# KiCad board Panel-DIY305.kicad_pcb
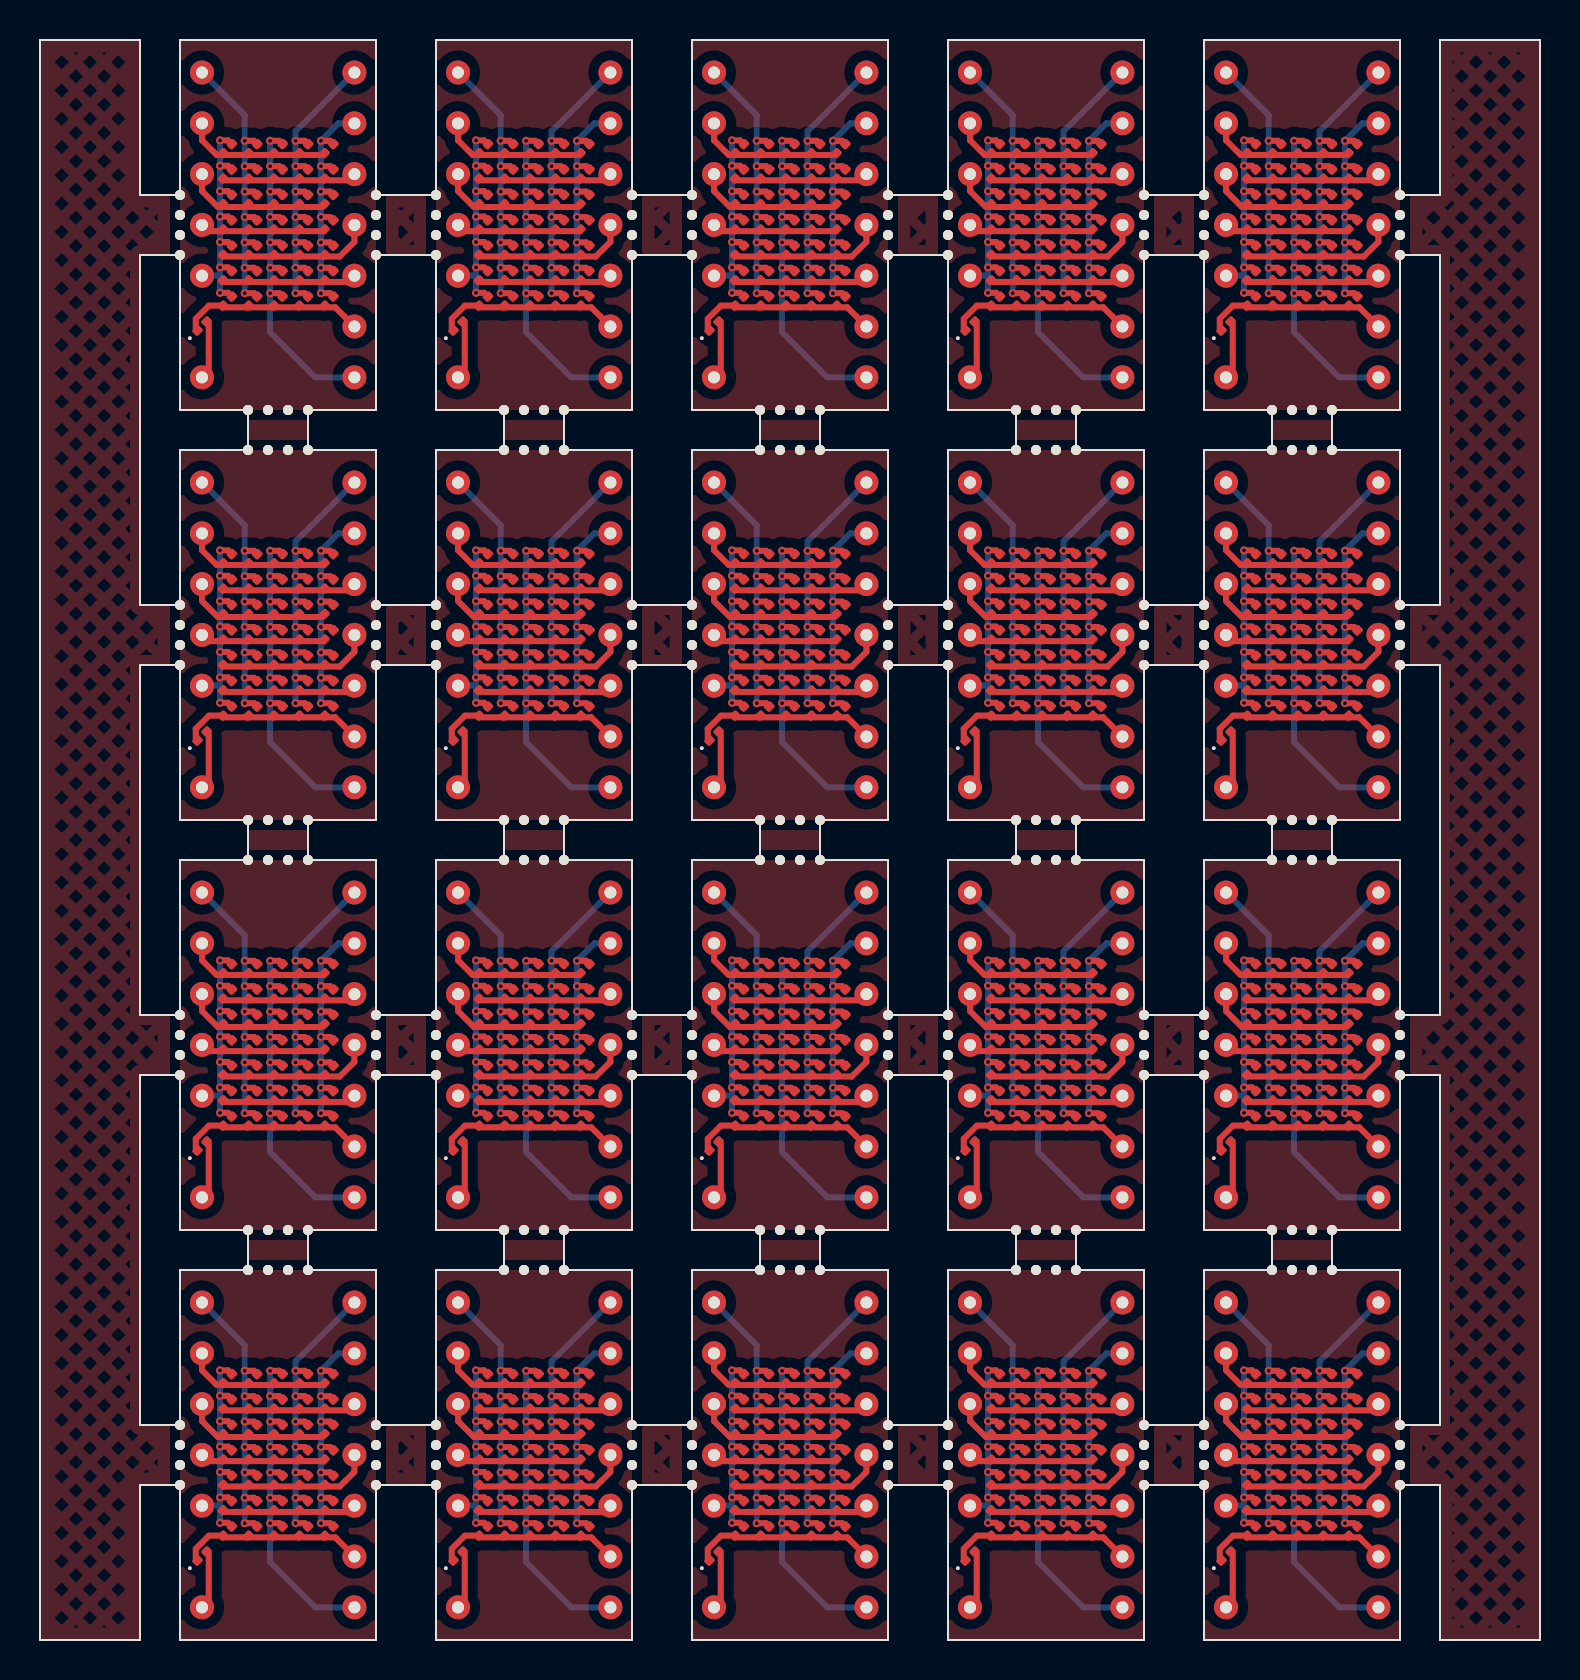
[diagram p0: board, top side]
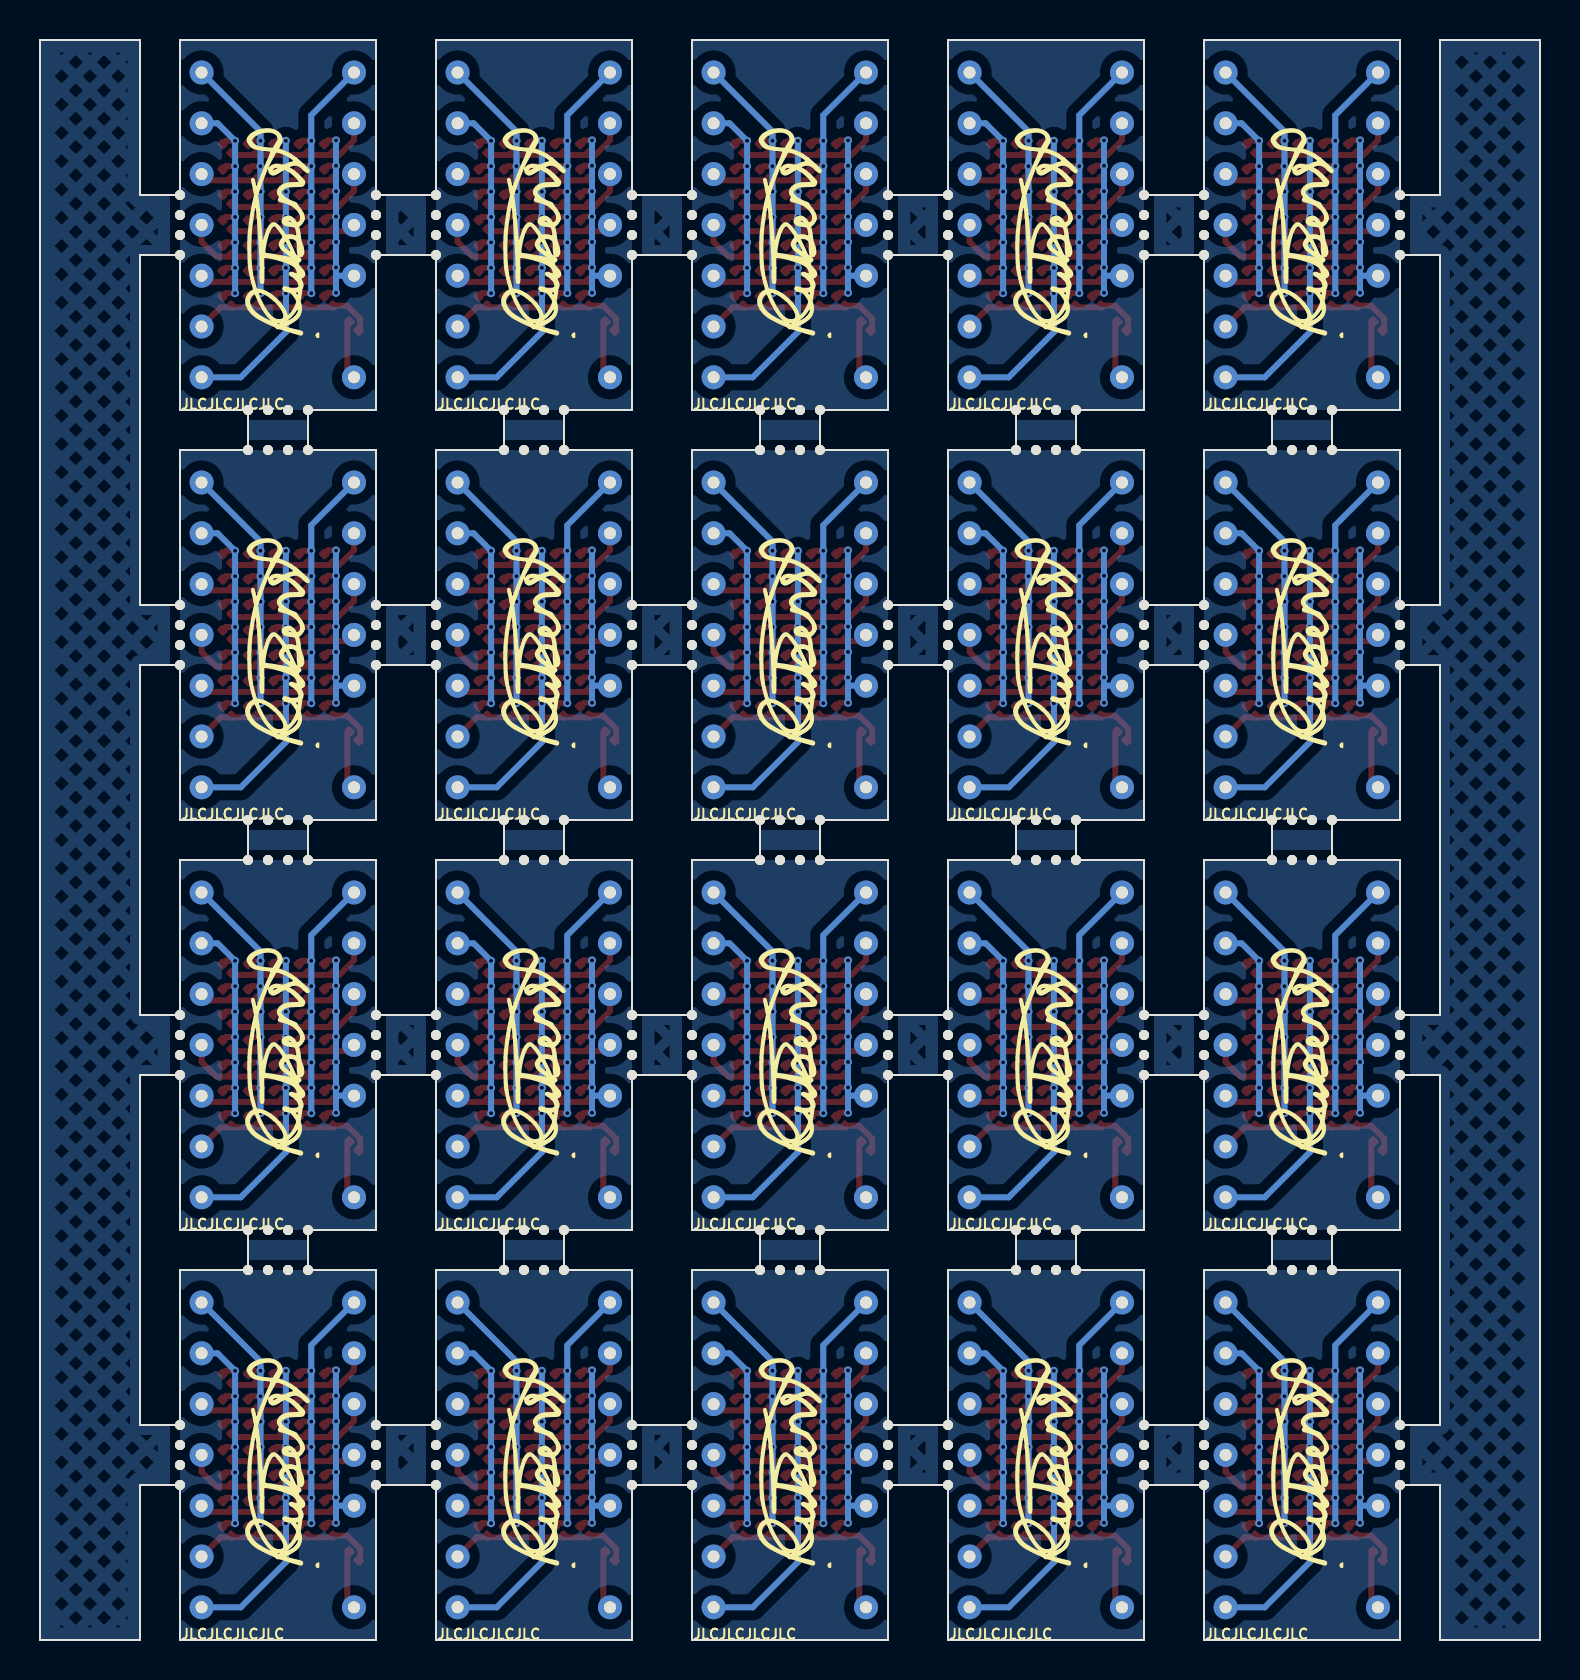
[diagram p1: board, bottom side, seen from below]

Outline 75 x 80 mm; copper layers: Top, Bottom. Coordinates in mm from the lower left corner of the outline.
Outline path: 0,80 0,0 5,0 5,7.75 7,7.75 7,0 16.8,0 16.8,7.75 19.8,7.75 19.8,0 29.6,0 29.6,7.75 32.6,7.75 32.6,0 42.4,0 42.4,7.75 45.4,7.75 45.4,0 55.2,0 55.2,7.75 58.2,7.75 58.2,0 68,0 68,7.75 70,7.75 70,0 75,0 75,80 70,80 70,72.25 68,72.25 68,80 58.2,80 58.2,72.25 55.2,72.25 55.2,80 45.4,80 45.4,72.25 42.4,72.25 42.4,80 32.6,80 32.6,72.25 29.6,72.25 29.6,80 19.8,80 19.8,72.25 16.8,72.25 16.8,80 7,80 7,72.25 5,72.25 5,80 0,80 ; 5,69.25 7,69.25 7,61.5 10.4,61.5 10.4,59.5 7,59.5 7,51.75 5,51.75 5,69.25 ; 5,48.75 7,48.75 7,41 10.4,41 10.4,39 7,39 7,31.25 5,31.25 5,48.75 ; 5,28.25 7,28.25 7,20.5 10.4,20.5 10.4,18.5 7,18.5 7,10.75 5,10.75 5,28.25 ; 13.4,61.5 16.8,61.5 16.8,69.25 19.8,69.25 19.8,61.5 23.2,61.5 23.2,59.5 19.8,59.5 19.8,51.75 16.8,51.75 16.8,59.5 13.4,59.5 13.4,61.5 ; 13.4,41 16.8,41 16.8,48.75 19.8,48.75 19.8,41 23.2,41 23.2,39 19.8,39 19.8,31.25 16.8,31.25 16.8,39 13.4,39 13.4,41 ; 13.4,20.5 16.8,20.5 16.8,28.25 19.8,28.25 19.8,20.5 23.2,20.5 23.2,18.5 19.8,18.5 19.8,10.75 16.8,10.75 16.8,18.5 13.4,18.5 13.4,20.5 ; 26.2,61.5 29.6,61.5 29.6,69.25 32.6,69.25 32.6,61.5 36,61.5 36,59.5 32.6,59.5 32.6,51.75 29.6,51.75 29.6,59.5 26.2,59.5 26.2,61.5 ; 26.2,41 29.6,41 29.6,48.75 32.6,48.75 32.6,41 36,41 36,39 32.6,39 32.6,31.25 29.6,31.25 29.6,39 26.2,39 26.2,41 ; 26.2,20.5 29.6,20.5 29.6,28.25 32.6,28.25 32.6,20.5 36,20.5 36,18.5 32.6,18.5 32.6,10.75 29.6,10.75 29.6,18.5 26.2,18.5 26.2,20.5 ; 39,61.5 42.4,61.5 42.4,69.25 45.4,69.25 45.4,61.5 48.8,61.5 48.8,59.5 45.4,59.5 45.4,51.75 42.4,51.75 42.4,59.5 39,59.5 39,61.5 ; 39,41 42.4,41 42.4,48.75 45.4,48.75 45.4,41 48.8,41 48.8,39 45.4,39 45.4,31.25 42.4,31.25 42.4,39 39,39 39,41 ; 39,20.5 42.4,20.5 42.4,28.25 45.4,28.25 45.4,20.5 48.8,20.5 48.8,18.5 45.4,18.5 45.4,10.75 42.4,10.75 42.4,18.5 39,18.5 39,20.5 ; 51.8,61.5 55.2,61.5 55.2,69.25 58.2,69.25 58.2,61.5 61.6,61.5 61.6,59.5 58.2,59.5 58.2,51.75 55.2,51.75 55.2,59.5 51.8,59.5 51.8,61.5 ; 51.8,41 55.2,41 55.2,48.75 58.2,48.75 58.2,41 61.6,41 61.6,39 58.2,39 58.2,31.25 55.2,31.25 55.2,39 51.8,39 51.8,41 ; 51.8,20.5 55.2,20.5 55.2,28.25 58.2,28.25 58.2,20.5 61.6,20.5 61.6,18.5 58.2,18.5 58.2,10.75 55.2,10.75 55.2,18.5 51.8,18.5 51.8,20.5 ; 64.6,61.5 68,61.5 68,69.25 70,69.25 70,51.75 68,51.75 68,59.5 64.6,59.5 64.6,61.5 ; 64.6,41 68,41 68,48.75 70,48.75 70,31.25 68,31.25 68,39 64.6,39 64.6,41 ; 64.6,20.5 68,20.5 68,28.25 70,28.25 70,10.75 68,10.75 68,18.5 64.6,18.5 64.6,20.5

## Placement (name value [footprint] x y rotation side)
D1  LED  [LED_0201_0603Metric]  47.77 74.56 45 top
D1#2  LED  [LED_0201_0603Metric]  22.17 54.06 45 top
D1#3  LED  [LED_0201_0603Metric]  22.17 13.06 45 top
D1#4  LED  [LED_0201_0603Metric]  60.57 54.06 45 top
D1#5  LED  [LED_0201_0603Metric]  47.77 13.06 45 top
D1#6  LED  [LED_0201_0603Metric]  47.77 54.06 45 top
D1#7  LED  [LED_0201_0603Metric]  22.17 74.56 45 top
D1#8  LED  [LED_0201_0603Metric]  60.57 74.56 45 top
D1#9  LED  [LED_0201_0603Metric]  60.57 33.56 45 top
D1#10  LED  [LED_0201_0603Metric]  9.37 13.06 45 top
D1#11  LED  [LED_0201_0603Metric]  60.57 13.06 45 top
D1#12  LED  [LED_0201_0603Metric]  22.17 33.56 45 top
D1#13  LED  [LED_0201_0603Metric]  9.37 74.56 45 top
D1#14  LED  [LED_0201_0603Metric]  34.97 54.06 45 top
D1#15  LED  [LED_0201_0603Metric]  34.97 74.56 45 top
D1#16  LED  [LED_0201_0603Metric]  9.37 33.56 45 top
D1#17  LED  [LED_0201_0603Metric]  34.97 13.06 45 top
D1#18  LED  [LED_0201_0603Metric]  34.97 33.56 45 top
D1#19  LED  [LED_0201_0603Metric]  47.77 33.56 45 top
D1#20  LED  [LED_0201_0603Metric]  9.37 54.06 45 top
D2  LED  [LED_0201_0603Metric]  22.17 11.8 45 top
D2#2  LED  [LED_0201_0603Metric]  34.97 11.8 45 top
D2#3  LED  [LED_0201_0603Metric]  34.97 73.3 45 top
D2#4  LED  [LED_0201_0603Metric]  60.57 11.8 45 top
D2#5  LED  [LED_0201_0603Metric]  60.57 73.3 45 top
D2#6  LED  [LED_0201_0603Metric]  60.57 52.8 45 top
D2#7  LED  [LED_0201_0603Metric]  9.37 73.3 45 top
D2#8  LED  [LED_0201_0603Metric]  47.77 11.8 45 top
D2#9  LED  [LED_0201_0603Metric]  60.57 32.3 45 top
D2#10  LED  [LED_0201_0603Metric]  22.17 73.3 45 top
D2#11  LED  [LED_0201_0603Metric]  22.17 32.3 45 top
D2#12  LED  [LED_0201_0603Metric]  47.77 73.3 45 top
D2#13  LED  [LED_0201_0603Metric]  34.97 52.8 45 top
D2#14  LED  [LED_0201_0603Metric]  22.17 52.8 45 top
D2#15  LED  [LED_0201_0603Metric]  47.77 52.8 45 top
D2#16  LED  [LED_0201_0603Metric]  9.37 52.8 45 top
D2#17  LED  [LED_0201_0603Metric]  47.77 32.3 45 top
D2#18  LED  [LED_0201_0603Metric]  9.37 32.3 45 top
D2#19  LED  [LED_0201_0603Metric]  34.97 32.3 45 top
D2#20  LED  [LED_0201_0603Metric]  9.37 11.8 45 top
D3  LED  [LED_0201_0603Metric]  34.97 31.03 45 top
D3#2  LED  [LED_0201_0603Metric]  60.57 10.53 45 top
D3#3  LED  [LED_0201_0603Metric]  9.37 10.53 45 top
D3#4  LED  [LED_0201_0603Metric]  47.77 51.52 45 top
D3#5  LED  [LED_0201_0603Metric]  34.97 51.52 45 top
D3#6  LED  [LED_0201_0603Metric]  60.57 51.52 45 top
D3#7  LED  [LED_0201_0603Metric]  22.17 31.03 45 top
D3#8  LED  [LED_0201_0603Metric]  9.37 31.03 45 top
D3#9  LED  [LED_0201_0603Metric]  47.77 31.03 45 top
D3#10  LED  [LED_0201_0603Metric]  22.17 72.03 45 top
D3#11  LED  [LED_0201_0603Metric]  60.57 31.03 45 top
D3#12  LED  [LED_0201_0603Metric]  47.77 72.03 45 top
D3#13  LED  [LED_0201_0603Metric]  22.17 10.53 45 top
D3#14  LED  [LED_0201_0603Metric]  34.97 72.03 45 top
D3#15  LED  [LED_0201_0603Metric]  9.37 51.52 45 top
D3#16  LED  [LED_0201_0603Metric]  34.97 10.53 45 top
D3#17  LED  [LED_0201_0603Metric]  22.17 51.52 45 top
D3#18  LED  [LED_0201_0603Metric]  47.77 10.53 45 top
D3#19  LED  [LED_0201_0603Metric]  9.37 72.03 45 top
D3#20  LED  [LED_0201_0603Metric]  60.57 72.03 45 top
D4  LED  [LED_0201_0603Metric]  60.57 70.75 45 top
D4#2  LED  [LED_0201_0603Metric]  22.17 9.25 45 top
D4#3  LED  [LED_0201_0603Metric]  9.37 29.75 45 top
D4#4  LED  [LED_0201_0603Metric]  60.57 9.25 45 top
D4#5  LED  [LED_0201_0603Metric]  34.97 9.25 45 top
D4#6  LED  [LED_0201_0603Metric]  60.57 50.26 45 top
D4#7  LED  [LED_0201_0603Metric]  9.37 70.75 45 top
D4#8  LED  [LED_0201_0603Metric]  47.77 29.75 45 top
D4#9  LED  [LED_0201_0603Metric]  22.17 70.75 45 top
D4#10  LED  [LED_0201_0603Metric]  9.37 50.26 45 top
D4#11  LED  [LED_0201_0603Metric]  47.77 50.26 45 top
D4#12  LED  [LED_0201_0603Metric]  60.57 29.75 45 top
D4#13  LED  [LED_0201_0603Metric]  34.97 70.75 45 top
D4#14  LED  [LED_0201_0603Metric]  9.37 9.25 45 top
D4#15  LED  [LED_0201_0603Metric]  47.77 9.25 45 top
D4#16  LED  [LED_0201_0603Metric]  22.17 50.26 45 top
D4#17  LED  [LED_0201_0603Metric]  22.17 29.75 45 top
D4#18  LED  [LED_0201_0603Metric]  34.97 50.26 45 top
D4#19  LED  [LED_0201_0603Metric]  34.97 29.75 45 top
D4#20  LED  [LED_0201_0603Metric]  47.77 70.75 45 top
D5  LED  [LED_0201_0603Metric]  34.97 7.98 45 top
D5#2  LED  [LED_0201_0603Metric]  9.37 69.48 45 top
D5#3  LED  [LED_0201_0603Metric]  9.37 7.98 45 top
D5#4  LED  [LED_0201_0603Metric]  47.77 7.98 45 top
D5#5  LED  [LED_0201_0603Metric]  22.17 48.98 45 top
D5#6  LED  [LED_0201_0603Metric]  34.97 69.48 45 top
D5#7  LED  [LED_0201_0603Metric]  47.77 28.48 45 top
D5#8  LED  [LED_0201_0603Metric]  22.17 69.48 45 top
D5#9  LED  [LED_0201_0603Metric]  47.77 48.98 45 top
D5#10  LED  [LED_0201_0603Metric]  34.97 28.48 45 top
D5#11  LED  [LED_0201_0603Metric]  22.17 28.48 45 top
D5#12  LED  [LED_0201_0603Metric]  9.37 28.48 45 top
D5#13  LED  [LED_0201_0603Metric]  60.57 48.98 45 top
D5#14  LED  [LED_0201_0603Metric]  60.57 7.98 45 top
D5#15  LED  [LED_0201_0603Metric]  34.97 48.98 45 top
D5#16  LED  [LED_0201_0603Metric]  22.17 7.98 45 top
D5#17  LED  [LED_0201_0603Metric]  47.77 69.48 45 top
D5#18  LED  [LED_0201_0603Metric]  60.57 69.48 45 top
D5#19  LED  [LED_0201_0603Metric]  60.57 28.48 45 top
D5#20  LED  [LED_0201_0603Metric]  9.37 48.98 45 top
D6  LED  [LED_0201_0603Metric]  60.57 27.22 45 top
D6#2  LED  [LED_0201_0603Metric]  22.17 47.72 45 top
D6#3  LED  [LED_0201_0603Metric]  22.17 27.22 45 top
D6#4  LED  [LED_0201_0603Metric]  34.97 6.72 45 top
D6#5  LED  [LED_0201_0603Metric]  47.77 47.72 45 top
D6#6  LED  [LED_0201_0603Metric]  47.77 68.22 45 top
D6#7  LED  [LED_0201_0603Metric]  34.97 27.22 45 top
D6#8  LED  [LED_0201_0603Metric]  22.17 6.72 45 top
D6#9  LED  [LED_0201_0603Metric]  34.97 68.22 45 top
D6#10  LED  [LED_0201_0603Metric]  60.57 68.22 45 top
D6#11  LED  [LED_0201_0603Metric]  60.57 47.72 45 top
D6#12  LED  [LED_0201_0603Metric]  9.37 27.22 45 top
D6#13  LED  [LED_0201_0603Metric]  34.97 47.72 45 top
D6#14  LED  [LED_0201_0603Metric]  9.37 47.72 45 top
D6#15  LED  [LED_0201_0603Metric]  47.77 6.72 45 top
D6#16  LED  [LED_0201_0603Metric]  22.17 68.22 45 top
D6#17  LED  [LED_0201_0603Metric]  60.57 6.72 45 top
D6#18  LED  [LED_0201_0603Metric]  9.37 6.72 45 top
D6#19  LED  [LED_0201_0603Metric]  47.77 27.22 45 top
D6#20  LED  [LED_0201_0603Metric]  9.37 68.22 45 top
D7  LED  [LED_0201_0603Metric]  60.57 46.45 45 top
D7#2  LED  [LED_0201_0603Metric]  47.77 46.45 45 top
D7#3  LED  [LED_0201_0603Metric]  34.97 66.94 45 top
D7#4  LED  [LED_0201_0603Metric]  47.77 25.94 45 top
D7#5  LED  [LED_0201_0603Metric]  9.37 46.45 45 top
D7#6  LED  [LED_0201_0603Metric]  34.97 5.44 45 top
D7#7  LED  [LED_0201_0603Metric]  22.17 5.44 45 top
D7#8  LED  [LED_0201_0603Metric]  9.37 66.94 45 top
D7#9  LED  [LED_0201_0603Metric]  22.17 46.45 45 top
D7#10  LED  [LED_0201_0603Metric]  60.57 66.94 45 top
D7#11  LED  [LED_0201_0603Metric]  22.17 66.94 45 top
D7#12  LED  [LED_0201_0603Metric]  60.57 25.94 45 top
D7#13  LED  [LED_0201_0603Metric]  34.97 46.45 45 top
D7#14  LED  [LED_0201_0603Metric]  60.57 5.44 45 top
D7#15  LED  [LED_0201_0603Metric]  9.37 25.94 45 top
D7#16  LED  [LED_0201_0603Metric]  22.17 25.94 45 top
D7#17  LED  [LED_0201_0603Metric]  9.37 5.44 45 top
D7#18  LED  [LED_0201_0603Metric]  47.77 5.44 45 top
D7#19  LED  [LED_0201_0603Metric]  34.97 25.94 45 top
D7#20  LED  [LED_0201_0603Metric]  47.77 66.94 45 top
D8  LED  [LED_0201_0603Metric]  36.24 13.06 45 top
D8#2  LED  [LED_0201_0603Metric]  36.24 33.56 45 top
D8#3  LED  [LED_0201_0603Metric]  36.24 54.06 45 top
D8#4  LED  [LED_0201_0603Metric]  49.04 13.06 45 top
D8#5  LED  [LED_0201_0603Metric]  49.04 33.56 45 top
D8#6  LED  [LED_0201_0603Metric]  10.64 13.06 45 top
D8#7  LED  [LED_0201_0603Metric]  61.84 54.06 45 top
D8#8  LED  [LED_0201_0603Metric]  61.84 33.56 45 top
D8#9  LED  [LED_0201_0603Metric]  23.44 33.56 45 top
D8#10  LED  [LED_0201_0603Metric]  49.04 74.56 45 top
D8#11  LED  [LED_0201_0603Metric]  61.84 13.06 45 top
D8#12  LED  [LED_0201_0603Metric]  49.04 54.06 45 top
D8#13  LED  [LED_0201_0603Metric]  23.44 13.06 45 top
D8#14  LED  [LED_0201_0603Metric]  10.64 54.06 45 top
D8#15  LED  [LED_0201_0603Metric]  61.84 74.56 45 top
D8#16  LED  [LED_0201_0603Metric]  36.24 74.56 45 top
D8#17  LED  [LED_0201_0603Metric]  10.64 33.56 45 top
D8#18  LED  [LED_0201_0603Metric]  23.44 74.56 45 top
D8#19  LED  [LED_0201_0603Metric]  10.64 74.56 45 top
D8#20  LED  [LED_0201_0603Metric]  23.44 54.06 45 top
D9  LED  [LED_0201_0603Metric]  23.44 52.8 45 top
D9#2  LED  [LED_0201_0603Metric]  10.64 73.3 45 top
D9#3  LED  [LED_0201_0603Metric]  61.84 73.3 45 top
D9#4  LED  [LED_0201_0603Metric]  23.44 32.3 45 top
D9#5  LED  [LED_0201_0603Metric]  23.44 73.3 45 top
D9#6  LED  [LED_0201_0603Metric]  36.24 11.8 45 top
D9#7  LED  [LED_0201_0603Metric]  36.24 73.3 45 top
D9#8  LED  [LED_0201_0603Metric]  23.44 11.8 45 top
D9#9  LED  [LED_0201_0603Metric]  36.24 52.8 45 top
D9#10  LED  [LED_0201_0603Metric]  61.84 52.8 45 top
D9#11  LED  [LED_0201_0603Metric]  49.04 11.8 45 top
D9#12  LED  [LED_0201_0603Metric]  61.84 32.3 45 top
D9#13  LED  [LED_0201_0603Metric]  36.24 32.3 45 top
D9#14  LED  [LED_0201_0603Metric]  10.64 11.8 45 top
D9#15  LED  [LED_0201_0603Metric]  49.04 52.8 45 top
D9#16  LED  [LED_0201_0603Metric]  49.04 32.3 45 top
D9#17  LED  [LED_0201_0603Metric]  10.64 52.8 45 top
D9#18  LED  [LED_0201_0603Metric]  61.84 11.8 45 top
D9#19  LED  [LED_0201_0603Metric]  10.64 32.3 45 top
D9#20  LED  [LED_0201_0603Metric]  49.04 73.3 45 top
D10  LED  [LED_0201_0603Metric]  10.64 31.03 45 top
D10#2  LED  [LED_0201_0603Metric]  36.24 72.03 45 top
D10#3  LED  [LED_0201_0603Metric]  23.44 72.03 45 top
D10#4  LED  [LED_0201_0603Metric]  10.64 72.03 45 top
D10#5  LED  [LED_0201_0603Metric]  61.84 51.52 45 top
D10#6  LED  [LED_0201_0603Metric]  61.84 72.03 45 top
D10#7  LED  [LED_0201_0603Metric]  10.64 51.52 45 top
D10#8  LED  [LED_0201_0603Metric]  61.84 31.03 45 top
D10#9  LED  [LED_0201_0603Metric]  23.44 31.03 45 top
D10#10  LED  [LED_0201_0603Metric]  49.04 31.03 45 top
D10#11  LED  [LED_0201_0603Metric]  49.04 51.52 45 top
D10#12  LED  [LED_0201_0603Metric]  61.84 10.53 45 top
D10#13  LED  [LED_0201_0603Metric]  36.24 31.03 45 top
D10#14  LED  [LED_0201_0603Metric]  49.04 10.53 45 top
D10#15  LED  [LED_0201_0603Metric]  49.04 72.03 45 top
D10#16  LED  [LED_0201_0603Metric]  36.24 51.52 45 top
D10#17  LED  [LED_0201_0603Metric]  36.24 10.53 45 top
D10#18  LED  [LED_0201_0603Metric]  10.64 10.53 45 top
D10#19  LED  [LED_0201_0603Metric]  23.44 51.52 45 top
D10#20  LED  [LED_0201_0603Metric]  23.44 10.53 45 top
D11  LED  [LED_0201_0603Metric]  10.64 70.75 45 top
D11#2  LED  [LED_0201_0603Metric]  61.84 29.75 45 top
D11#3  LED  [LED_0201_0603Metric]  23.44 50.26 45 top
D11#4  LED  [LED_0201_0603Metric]  61.84 9.25 45 top
D11#5  LED  [LED_0201_0603Metric]  49.04 9.25 45 top
D11#6  LED  [LED_0201_0603Metric]  23.44 70.75 45 top
D11#7  LED  [LED_0201_0603Metric]  49.04 50.26 45 top
D11#8  LED  [LED_0201_0603Metric]  10.64 9.25 45 top
D11#9  LED  [LED_0201_0603Metric]  10.64 29.75 45 top
D11#10  LED  [LED_0201_0603Metric]  61.84 50.26 45 top
D11#11  LED  [LED_0201_0603Metric]  23.44 9.25 45 top
D11#12  LED  [LED_0201_0603Metric]  36.24 50.26 45 top
D11#13  LED  [LED_0201_0603Metric]  49.04 70.75 45 top
D11#14  LED  [LED_0201_0603Metric]  36.24 29.75 45 top
D11#15  LED  [LED_0201_0603Metric]  23.44 29.75 45 top
D11#16  LED  [LED_0201_0603Metric]  36.24 70.75 45 top
D11#17  LED  [LED_0201_0603Metric]  61.84 70.75 45 top
D11#18  LED  [LED_0201_0603Metric]  36.24 9.25 45 top
D11#19  LED  [LED_0201_0603Metric]  10.64 50.26 45 top
D11#20  LED  [LED_0201_0603Metric]  49.04 29.75 45 top
D12  LED  [LED_0201_0603Metric]  61.84 48.98 45 top
D12#2  LED  [LED_0201_0603Metric]  61.84 7.98 45 top
D12#3  LED  [LED_0201_0603Metric]  61.84 69.48 45 top
D12#4  LED  [LED_0201_0603Metric]  49.04 7.98 45 top
D12#5  LED  [LED_0201_0603Metric]  49.04 48.98 45 top
D12#6  LED  [LED_0201_0603Metric]  10.64 28.48 45 top
D12#7  LED  [LED_0201_0603Metric]  36.24 69.48 45 top
D12#8  LED  [LED_0201_0603Metric]  49.04 69.48 45 top
D12#9  LED  [LED_0201_0603Metric]  23.44 28.48 45 top
D12#10  LED  [LED_0201_0603Metric]  23.44 69.48 45 top
D12#11  LED  [LED_0201_0603Metric]  10.64 48.98 45 top
D12#12  LED  [LED_0201_0603Metric]  36.24 7.98 45 top
D12#13  LED  [LED_0201_0603Metric]  49.04 28.48 45 top
D12#14  LED  [LED_0201_0603Metric]  10.64 69.48 45 top
D12#15  LED  [LED_0201_0603Metric]  61.84 28.48 45 top
D12#16  LED  [LED_0201_0603Metric]  10.64 7.98 45 top
D12#17  LED  [LED_0201_0603Metric]  36.24 48.98 45 top
D12#18  LED  [LED_0201_0603Metric]  23.44 48.98 45 top
D12#19  LED  [LED_0201_0603Metric]  23.44 7.98 45 top
D12#20  LED  [LED_0201_0603Metric]  36.24 28.48 45 top
D13  LED  [LED_0201_0603Metric]  49.04 6.72 45 top
D13#2  LED  [LED_0201_0603Metric]  10.64 68.22 45 top
D13#3  LED  [LED_0201_0603Metric]  23.44 27.22 45 top
D13#4  LED  [LED_0201_0603Metric]  49.04 68.22 45 top
D13#5  LED  [LED_0201_0603Metric]  36.24 6.72 45 top
D13#6  LED  [LED_0201_0603Metric]  61.84 6.72 45 top
D13#7  LED  [LED_0201_0603Metric]  36.24 68.22 45 top
D13#8  LED  [LED_0201_0603Metric]  10.64 6.72 45 top
D13#9  LED  [LED_0201_0603Metric]  36.24 27.22 45 top
D13#10  LED  [LED_0201_0603Metric]  61.84 27.22 45 top
D13#11  LED  [LED_0201_0603Metric]  49.04 27.22 45 top
D13#12  LED  [LED_0201_0603Metric]  49.04 47.72 45 top
D13#13  LED  [LED_0201_0603Metric]  10.64 27.22 45 top
D13#14  LED  [LED_0201_0603Metric]  23.44 6.72 45 top
D13#15  LED  [LED_0201_0603Metric]  23.44 68.22 45 top
D13#16  LED  [LED_0201_0603Metric]  23.44 47.72 45 top
D13#17  LED  [LED_0201_0603Metric]  36.24 47.72 45 top
D13#18  LED  [LED_0201_0603Metric]  61.84 68.22 45 top
D13#19  LED  [LED_0201_0603Metric]  61.84 47.72 45 top
D13#20  LED  [LED_0201_0603Metric]  10.64 47.72 45 top
D14  LED  [LED_0201_0603Metric]  23.44 46.45 45 top
D14#2  LED  [LED_0201_0603Metric]  10.64 25.94 45 top
D14#3  LED  [LED_0201_0603Metric]  10.64 46.45 45 top
D14#4  LED  [LED_0201_0603Metric]  49.04 66.94 45 top
D14#5  LED  [LED_0201_0603Metric]  10.64 5.44 45 top
D14#6  LED  [LED_0201_0603Metric]  23.44 5.44 45 top
D14#7  LED  [LED_0201_0603Metric]  61.84 5.44 45 top
D14#8  LED  [LED_0201_0603Metric]  36.24 5.44 45 top
D14#9  LED  [LED_0201_0603Metric]  61.84 66.94 45 top
D14#10  LED  [LED_0201_0603Metric]  23.44 25.94 45 top
D14#11  LED  [LED_0201_0603Metric]  61.84 25.94 45 top
D14#12  LED  [LED_0201_0603Metric]  36.24 66.94 45 top
D14#13  LED  [LED_0201_0603Metric]  36.24 46.45 45 top
D14#14  LED  [LED_0201_0603Metric]  49.04 25.94 45 top
D14#15  LED  [LED_0201_0603Metric]  23.44 66.94 45 top
D14#16  LED  [LED_0201_0603Metric]  36.24 25.94 45 top
D14#17  LED  [LED_0201_0603Metric]  49.04 46.45 45 top
D14#18  LED  [LED_0201_0603Metric]  61.84 46.45 45 top
D14#19  LED  [LED_0201_0603Metric]  49.04 5.44 45 top
D14#20  LED  [LED_0201_0603Metric]  10.64 66.94 45 top
D15  LED  [LED_0201_0603Metric]  50.31 13.06 45 top
D15#2  LED  [LED_0201_0603Metric]  11.91 54.06 45 top
D15#3  LED  [LED_0201_0603Metric]  37.51 74.56 45 top
D15#4  LED  [LED_0201_0603Metric]  50.31 33.56 45 top
D15#5  LED  [LED_0201_0603Metric]  50.31 74.56 45 top
D15#6  LED  [LED_0201_0603Metric]  24.71 54.06 45 top
D15#7  LED  [LED_0201_0603Metric]  50.31 54.06 45 top
D15#8  LED  [LED_0201_0603Metric]  63.11 13.06 45 top
D15#9  LED  [LED_0201_0603Metric]  11.91 13.06 45 top
D15#10  LED  [LED_0201_0603Metric]  24.71 33.56 45 top
D15#11  LED  [LED_0201_0603Metric]  24.71 13.06 45 top
D15#12  LED  [LED_0201_0603Metric]  11.91 33.56 45 top
D15#13  LED  [LED_0201_0603Metric]  37.51 54.06 45 top
D15#14  LED  [LED_0201_0603Metric]  37.51 33.56 45 top
D15#15  LED  [LED_0201_0603Metric]  63.11 54.06 45 top
D15#16  LED  [LED_0201_0603Metric]  63.11 74.56 45 top
D15#17  LED  [LED_0201_0603Metric]  63.11 33.56 45 top
D15#18  LED  [LED_0201_0603Metric]  37.51 13.06 45 top
D15#19  LED  [LED_0201_0603Metric]  24.71 74.56 45 top
D15#20  LED  [LED_0201_0603Metric]  11.91 74.56 45 top
D16  LED  [LED_0201_0603Metric]  63.11 11.8 45 top
D16#2  LED  [LED_0201_0603Metric]  24.71 73.3 45 top
D16#3  LED  [LED_0201_0603Metric]  63.11 32.3 45 top
D16#4  LED  [LED_0201_0603Metric]  50.31 32.3 45 top
D16#5  LED  [LED_0201_0603Metric]  37.51 32.3 45 top
D16#6  LED  [LED_0201_0603Metric]  50.31 52.8 45 top
D16#7  LED  [LED_0201_0603Metric]  37.51 73.3 45 top
D16#8  LED  [LED_0201_0603Metric]  24.71 11.8 45 top
D16#9  LED  [LED_0201_0603Metric]  11.91 52.8 45 top
D16#10  LED  [LED_0201_0603Metric]  63.11 73.3 45 top
D16#11  LED  [LED_0201_0603Metric]  37.51 11.8 45 top
D16#12  LED  [LED_0201_0603Metric]  11.91 32.3 45 top
D16#13  LED  [LED_0201_0603Metric]  50.31 73.3 45 top
D16#14  LED  [LED_0201_0603Metric]  11.91 11.8 45 top
D16#15  LED  [LED_0201_0603Metric]  11.91 73.3 45 top
D16#16  LED  [LED_0201_0603Metric]  24.71 32.3 45 top
D16#17  LED  [LED_0201_0603Metric]  50.31 11.8 45 top
D16#18  LED  [LED_0201_0603Metric]  37.51 52.8 45 top